# Altium PCB CORE_BOARD.PcbDoc (part 2 of 2)
Units mil, origin at the board's own origin, x right, y up, seen from the top; angles counter-clockwise.
Board outline 2283.74 x 2984.53 mil, 4 copper layers (Top Layer, PWR02, GND03, Bottom Layer), stack 23.756 mil thick; 79 components, 108 nets, 397 pads, 203 vias.
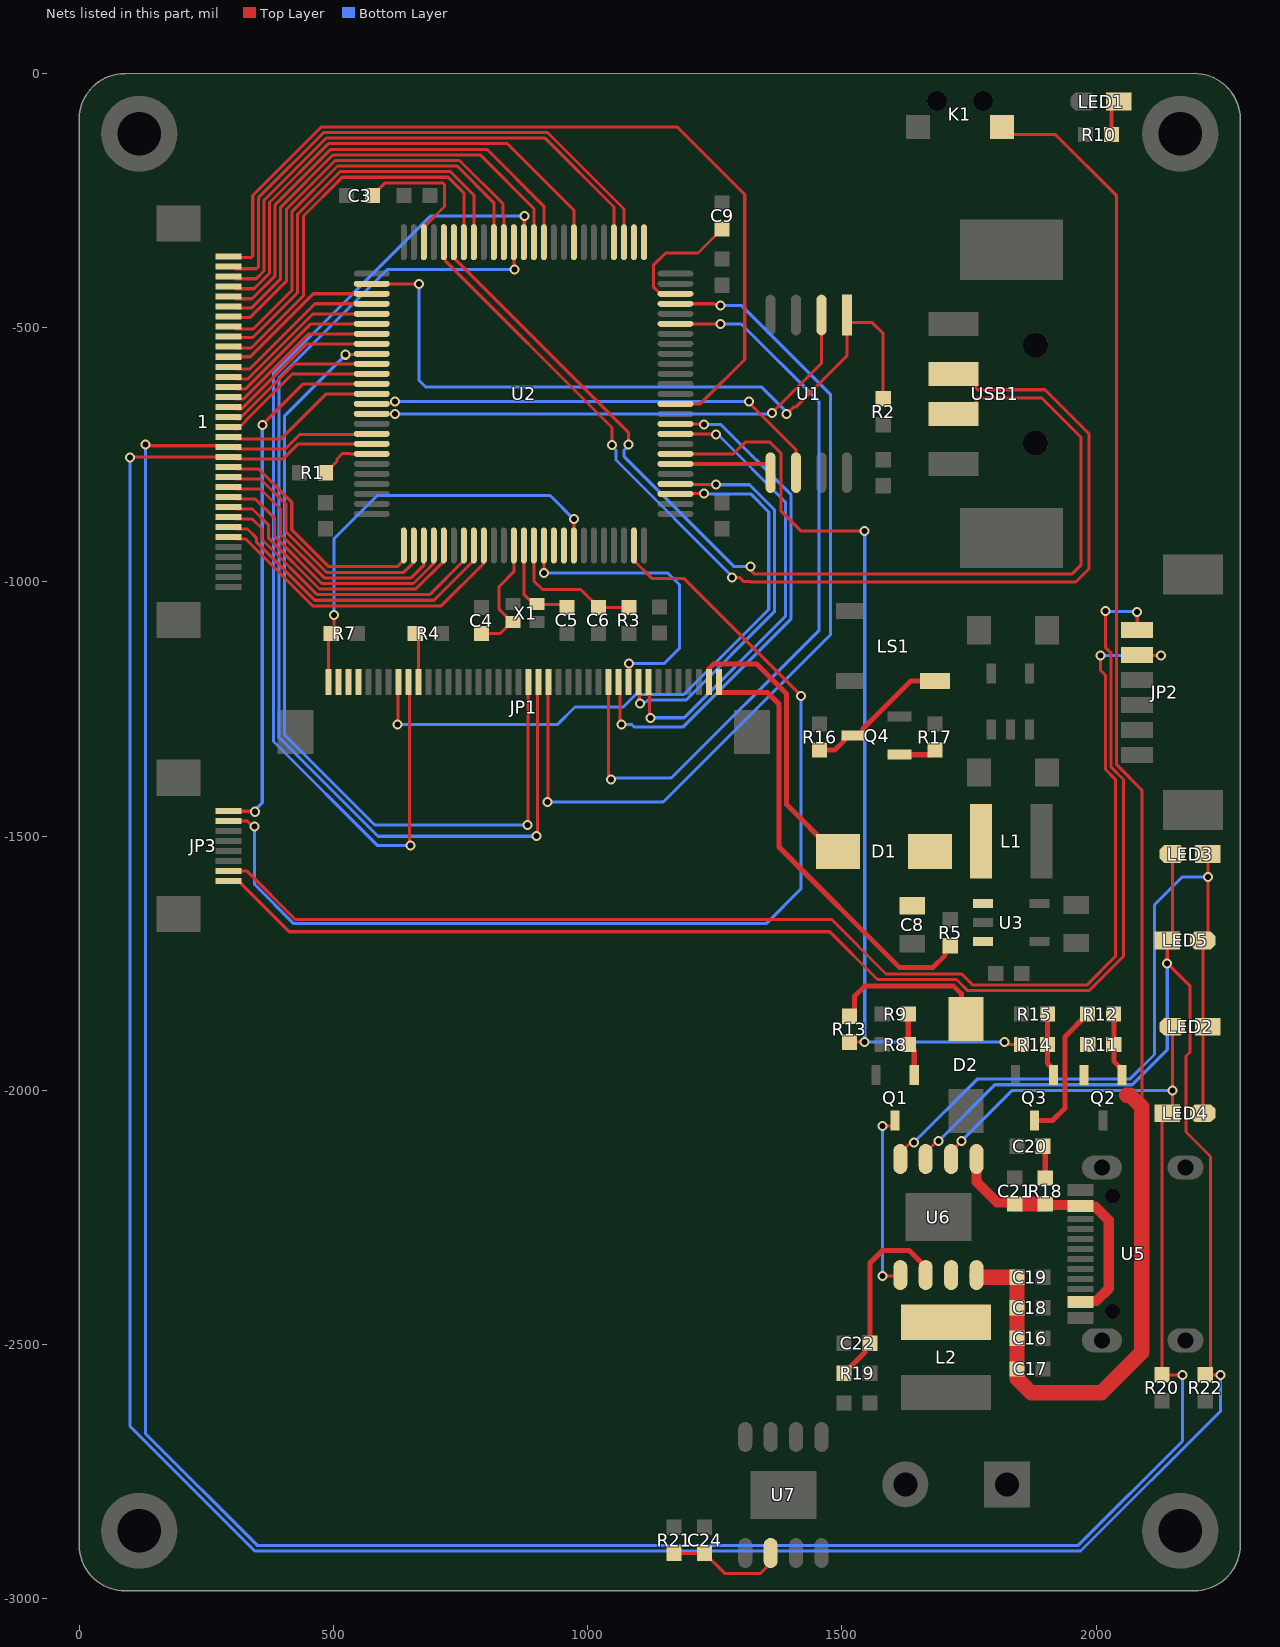
[diagram p4: the nets of this part, all layers, seen from the top]

## Via types
v1: diameter 19.68, hole 11.81, Top Layer to Bottom Layer, tented both sides, 203 vias

## Nets (pads, with @x,y where several pads share a name; then routed paths per layer and width w, separated by ;. In a path a pad name is that pad's centre, name@x,y a point inside that pad or via, vN(x,y) a via of type N, cw(c..) or ccw(c..) an arc to the next point about the centre after c; other vN are vias at no path point) (continued)
LCD_G5: JP1.23 U2.47 | length 1781
  Top Layer w6: v1(921.26,-1433.15) 922.26,-1432.15 922.26,-1197.85 JP1.23@923.26,-1196.85 ; U2.47@1172.76,-452.83 1249.21,-452.83 1250.28,-453.9 1258.88,-453.9 v1(1261.5,-456.52)
  Bottom Layer w6: v1(921.26,-1433.15) 1148.29,-1433.15 1477.26,-1104.18 1477.26,-630.8 1302.98,-456.52 v1(1261.5,-456.52)
LCD_G6: JP1.22 U2.64 | length 2204.6
  Top Layer w6: U2.64@854.86,-331.79 855.56,-332.49 855.56,-384.3 v1(856.26,-385) ; v1(899.26,-1500.15) 901.42,-1497.99 901.42,-1199.01 JP1.22@903.58,-1196.85
  Bottom Layer w6: v1(856.26,-385) 606.26,-385 393,-598.26 393,-1305.45 587.7,-1500.15 v1(899.26,-1500.15)
LCD_G7: JP1.21 U2.84 | length 1682.7
  Top Layer w6: v1(523.95,-553.1) 524.87,-552.18 574.41,-552.18 U2.84@575.34,-551.26 ; v1(881.26,-1478.15) 882.58,-1476.83 882.58,-1198.17 JP1.21@883.89,-1196.85
  Bottom Layer w6: v1(523.95,-553.1) 404,-673.05 404,-1300.89 581.26,-1478.15 v1(881.26,-1478.15)
LCD_HSYNC: JP1.9 U2.63 | length 2075.9
  Top Layer w6: JP1.9@647.67,-1196.85 649.47,-1198.64 649.47,-1516.2 v1(651.26,-1517.99) ; U2.63@874.55,-331.79 875.35,-330.99 875.35,-280.68 v1(876.14,-279.88)
  Bottom Layer w6: v1(651.26,-1517.99) 586.1,-1517.99 382,-1313.89 382,-589.26 691.26,-280 876.03,-280 v1(876.14,-279.88)
LCD_ONOFF: JP1.10 R4.2 | length 98.4
  Top Layer w6: R4.2@660.67,-1101.22 667.36,-1107.91 JP1.10@667.36,-1196.85
LCD_R3: JP1.33 U2.34 | length 917.6
  Top Layer w6: JP1.33@1120.11,-1196.85 1122.09,-1198.83 1122.09,-1265.9 v1(1124.08,-1267.88) ; U2.34@1172.76,-708.74 1204.34,-708.74 1204.97,-709.37 1255.63,-709.37 v1@1256.26,-710
  Bottom Layer w6: v1(1124.08,-1267.88) 1124.84,-1267.12 1189.87,-1267.12 1389.26,-1067.73 1389.26,-843 v1@1256.26,-710
  other v1: 1252.86,-710
LCD_R4: JP1.32 U2.29 | length 798.5
  Top Layer w6: JP1.32@1100.43,-1196.85 1101.54,-1197.96 1101.54,-1237.73 v1(1102.65,-1238.84) ; U2.29@1172.76,-807.17 1173.5,-807.91 1252.01,-807.91 v1(1252.86,-808.76)
  Bottom Layer w6: v1(1102.65,-1238.84) 1105.27,-1236.22 1114.95,-1236.22 1118.61,-1232.56 1193.32,-1232.56 1367.26,-1058.62 1367.26,-857.67 1318.35,-808.76 v1(1252.86,-808.76)
LCD_R5: JP1.31 U2.15 | length 604.1
  Top Layer w6: v1(913.92,-982.66) U2.15@913.92,-928.21 ; JP1.31@1080.74,-1196.85 1081,-1196.59 1081,-1160.26 v1(1081.26,-1160)
  Bottom Layer w6: v1(913.92,-982.66) 1157.92,-982.66 1180.26,-1005 1180.26,-1131 1151.26,-1160 v1(1081.26,-1160)
LCD_R6: JP1.30 U2.35 | length 1039
  Top Layer w6: JP1.30@1061.06,-1196.85 1063.66,-1199.45 1063.66,-1277.4 v1(1066.26,-1280) ; U2.35@1172.76,-689.05 1173.23,-689.53 1228.86,-689.53 v1(1229.34,-690)
  Bottom Layer w6: v1(1066.26,-1280) 1086.26,-1280 1091.98,-1285.72 1186.83,-1285.72 1400.26,-1072.29 1400.26,-828.77 1261.49,-690 v1(1229.34,-690)
LCD_R7: JP1.29 U2.45 | length 1519.2
  Top Layer w6: JP1.29@1041.37,-1196.85 JP1.29@1041.37,-1196.85 1041.32,-1379.5 1046.26,-1384.45 v1(1046.26,-1388.15) ; U2.45@1172.76,-492.2 1172.83,-492.27 1261.38,-492.27 v1(1261.56,-492.46)
  Bottom Layer w6: v1(1046.26,-1388.15) 1048.7,-1385.71 1164.62,-1385.71 1455.26,-1095.07 1455.26,-645.67 1302.05,-492.46 v1(1261.56,-492.46)
LCD_VSYNC: JP1.8 U2.28 | length 1298.4
  Top Layer w6: v1(626.26,-1280) 627.12,-1279.14 627.12,-1197.71 JP1.8@627.99,-1196.85 ; U2.28@1172.76,-826.85 1173.31,-826.3 1228.78,-826.3 v1(1229.34,-825.75)
  Bottom Layer w6: v1(626.26,-1280) 941.13,-1280 975.13,-1246 1070.26,-1246 1095.26,-1221 1189.32,-1221 1356.26,-1054.06 1356.26,-862.22 1320.64,-826.6 1230.19,-826.6 v1(1229.34,-825.75)
LEDK(+): C8.1 D1.2 JP1.39 | length 564.5
  Top Layer w10: JP1.39@1238.22,-1196.85 1239.13,-1195.94 1239.13,-1169.99 1247.86,-1161.26 1332.45,-1161.26 1391.26,-1220.07 1391.26,-1437.49 1483.77,-1530 D1.2@1492.63,-1530
LEDK(-): JP1.40 R5.2 U3.3 | length 872.4
  Top Layer w10: JP1.40@1257.91,-1196.85 1257.91,-1216.54 1258.81,-1217.44 1353.63,-1217.44 1376.26,-1240.07 1376.26,-1521.26 1613,-1758 1679.33,-1758 1703.18,-1734.15 R5.2@1703.18,-1725.59
Net1_1: 1.1 U2.37 | length 1730.1
  Top Layer w6: 1.1@309.79,-362.1 337.72,-362.1 341.23,-358.59 341.23,-240.02 476.25,-105 1176.26,-105 1308.99,-237.73 1308.99,-562.27 1221.57,-649.68 U2.37@1172.76,-649.68 ; 1.1@310.95,-362.87 1.1@313.1,-360.73
Net1_2: 1.2 U2.53 | length 1081.9
  Top Layer w6: 1.2@307.64,-383.94 348.72,-383.94 352.23,-380.42 352.23,-244.58 480.81,-116 920.89,-116 1071.4,-266.51 U2.53@1071.4,-331.79
Net1_3: 1.3 U2.54 | length 1065.7
  Top Layer w6: 1.3@307.64,-403.62 347.97,-403.62 363.23,-388.36 363.23,-249.13 485.37,-127 916.34,-127 1051.71,-262.38 U2.54@1051.71,-331.79
Net1_4: 1.4 U2.58 | length 952.1
  Top Layer w6: 1.4@307.64,-423.31 343.84,-423.31 374.23,-392.92 374.23,-253.69 489.92,-138 842.34,-138 972.97,-268.64 972.97,-300.87 U2.58@973.43,-301.33
Net1_5: 1.5 U2.61 | length 926.9
  Top Layer w6: 1.5@307.64,-442.99 339.71,-442.99 385.23,-397.47 385.23,-258.24 494.48,-149 802.05,-149 913.92,-260.86 U2.61@913.92,-331.79
Net1_6: 1.6 U2.62 | length 904.6
  Top Layer w6: 1.6@308.92,-461.4 338.59,-461.4 396.23,-403.75 396.23,-262.8 499.03,-160 788.81,-160 894.23,-265.42 U2.62@894.23,-331.79 ; 1.6@310.95,-461.3 1.6@312.23,-460.02
Net1_7: 1.7 U2.65 | length 848.8
  Top Layer w6: 1.7@310.55,-479.46 336.09,-479.46 407.23,-408.31 407.23,-267.36 503.59,-171 748.05,-171 833.42,-256.37 833.42,-277.09 835.18,-278.85 U2.65@835.18,-331.79 ; 1.7@310.95,-480.98 1.7@313.86,-478.08
Net1_8: 1.8 U2.66 | length 838.7
  Top Layer w6: 1.8@307.64,-502.05 342.85,-502.05 418.23,-426.66 418.23,-271.91 508.15,-182 743.49,-182 815.49,-254 U2.66@815.49,-331.79
Net1_9: 1.9 U2.68 | length 807.3
  Top Layer w6: 1.9@310.55,-518.83 341.62,-518.83 429.23,-431.21 429.23,-276.47 512.7,-193 730.37,-193 776.12,-238.75 U2.68@776.12,-331.79 ; 1.9@310.95,-520.35 1.9@313.86,-517.45
Net1_10: 1.10 U2.69 | length 790.2
  Top Layer w6: 1.10@309.32,-539.74 338.19,-539.74 441.13,-436.79 441.13,-280.13 517.26,-204 725.82,-204 756.44,-234.62 U2.69@756.44,-331.79 ; 1.10@310.95,-540.04 1.10@312.63,-538.36
Net1_11: 1.11 U2.78 | length 316.6
  Top Layer w6: 1.11@310.55,-558.2 311.7,-557.05 336.43,-557.05 460.33,-433.15 U2.78@575.34,-433.15
Net1_12: 1.12 U2.79 | length 320.7
  Top Layer w6: 1.12@307.64,-580.79 335.88,-580.79 463.83,-452.83 U2.79@575.34,-452.83
Net1_13: 1.13 U2.80 | length 320.7
  Top Layer w6: 1.13@307.64,-600.47 331.75,-600.47 459.7,-472.52 U2.80@575.34,-472.52
Net1_14: 1.14 U2.81 | length 320.7
  Top Layer w6: 1.14@307.64,-620.16 327.62,-620.16 455.57,-492.2 U2.81@575.34,-492.2
Net1_15: 1.15 U2.82 | length 320.7
  Top Layer w6: 1.15@307.64,-639.84 323.49,-639.84 451.44,-511.89 U2.82@575.34,-511.89
Net1_16: 1.16 U2.83 | length 320.7
  Top Layer w6: 1.16@307.64,-659.53 319.36,-659.53 447.31,-531.57 U2.83@575.34,-531.57
Net1_17: 1.17 U2.85 | length 312.5
  Top Layer w6: 1.17@307.64,-679.21 315.23,-679.21 423.5,-570.94 U2.85@575.34,-570.94
Net1_18: 1.18 U2.86 | length 313.3
  Top Layer w6: 1.18@307.64,-698.9 312.38,-698.9 326.9,-684.38 326.9,-683.1 419.37,-590.63 U2.86@575.34,-590.63
Net1_19: 1.19 U2.88 | length 304.4
  Top Layer w6: 1.19@307.64,-718.58 397.42,-718.58 486,-630 U2.88@575.34,-630
Net1_22: 1.22 U2.1 | length 476.2
  Top Layer w6: 1.22@307.64,-777.64 352.53,-777.64 417.94,-843.05 417.94,-897.15 490.79,-970 625.27,-970 638.33,-956.94 U2.1@638.33,-928.21
Net1_23: 1.23 U2.2 | length 499.4
  Top Layer w6: 1.23@307.64,-797.32 356.66,-797.32 406.94,-847.61 406.94,-901.71 486.23,-981 638.34,-981 655.26,-964.07 655.26,-962.06 658.01,-959.31 U2.2@658.01,-928.21
Net1_24: 1.24 U2.3 | length 520.9
  Top Layer w6: 1.24@307.64,-817.01 356.34,-817.01 395.94,-856.61 395.94,-906.26 481.68,-992 652.89,-992 669.01,-975.88 677.7,-967.19 U2.3@677.7,-928.21
Net1_25: 1.25 U2.4 | length 530.7
  Top Layer w6: 1.25@307.64,-836.69 346.03,-836.69 384.34,-875 384.34,-910.22 477.12,-1003 657.45,-1003 680.01,-980.44 696.27,-964.18 696.27,-929.32 U2.4@697.38,-928.21
Net1_26: 1.26 U2.5 | length 531.5
  Top Layer w6: 1.26@307.64,-856.38 340.71,-856.38 371.84,-887.5 371.84,-913.27 472.56,-1014 662,-1014 715.77,-960.24 715.77,-941.05 U2.5@716.85,-939.97
Net1_27: 1.27 U2.7 | length 580.4
  Top Layer w6: 1.27@307.64,-876.06 340.4,-876.06 359.34,-895 359.34,-916.33 468.01,-1025 689.18,-1025 756.44,-957.74 U2.7@756.44,-928.21
Net1_28: 1.28 U2.8 | length 593
  Top Layer w6: 1.28@307.64,-895.75 330.77,-895.75 348.34,-913.32 348.34,-920.88 463.45,-1036 697.86,-1036 776.12,-957.74 U2.8@776.12,-928.21
Net1_29: 1.29 U2.9 | length 612.6
  Top Layer w6: 1.29@307.64,-915.43 327.33,-915.43 458.89,-1047 712.34,-1047 794.7,-964.64 794.7,-929.32 U2.9@795.81,-928.21
NetC3_1: C3.1 U2.73 | length 283.5
  Top Layer w6: C3.1@576.85,-240 601.85,-215 714.9,-215 718.42,-218.51 718.42,-261.54 677.7,-302.26 U2.73@677.7,-331.79
NetC4_1: C4.1 U2.12 X1.1 | length 242.5
  Top Layer w6: C4.1@794.34,-1101.22 827.82,-1101.22 X1.1@851.67,-1077.38 ; X1.1@853.54,-1077.38 849.15,-1077.38 841.74,-1069.96 841.74,-1069.62 835.71,-1063.59 835.42,-1063.59 830.74,-1058.9 830.74,-1058.62 826,-1053.88 826,-1009 854.86,-980.14 U2.12@854.86,-928.21
NetC5_1: C5.1 U2.13 X1.3 | length 191.3
  Top Layer w6: U2.13@874.55,-928.21 874.55,-1023.93 894.76,-1044.13 897.71,-1044.13 953.43,-1044.13 C5.1@959.33,-1050.04
NetC6_2: C6.2 R3.1 U2.14 | length 278.6
  Top Layer w6: U2.14@894.23,-928.21 894.23,-997.97 911.26,-1015 986.22,-1015 C6.2@1021.26,-1050.04 1080.67,-1050.04 R3.1@1081.26,-1050.63
NetC9_2: C9.2 U2.48 | length 256.1
  Top Layer w6: U2.48@1172.76,-433.15 1143.23,-433.15 1129.33,-419.24 1129.33,-376.93 1153.46,-352.8 1217.12,-352.8 C9.2@1264.34,-305.59
NetC16_1: C16.1 C17.1 C18.1 C19.1 K1.2 Q2.2 R11.2 U6.8 | length 3188.5
  Top Layer w6: K1.2@1814.96,-105.59 1829.37,-120 1920,-120 2040.6,-240.6 2040.6,-1359.64 2090,-1409.04 2090,-2032.57
  Top Layer w30: U6.8@1765,-2363.35 1765,-2366.3 1766.22,-2367.52 C19.1@1844.41,-2367.52 C18.1@1844.41,-2427.52 1844.41,-2467.52 C16.1@1844.41,-2487.52 1844.41,-2527.76 1844.58,-2527.94 1844.58,-2567.01 1855,-2577.43 1872.57,-2595 2010,-2595 2090,-2515 2090,-2032.57 2067.11,-2009.69 2060,-2009.69
NetC20_1: C20.1 R18.1 | length 64.3
  Top Layer w10: C20.1@1895.59,-2110 1900,-2114.4 R18.1@1900,-2172.52
NetC21_1: C21.1 R18.2 U5.2 U5.11 U6.1 | length 537.1
  Top Layer w20: U6.1@1765,-2135 1765,-2180 1805.64,-2220.64 1836.94,-2220.64 C21.1@1840,-2223.7 ; R18.2@1900,-2223.7 1901.73,-2225.43 1967.67,-2225.43 U5.11@1969.4,-2227.17 1971.21,-2228.98 1998.34,-2228.98 2025,-2255.63 2025,-2390 2000.67,-2414.33 1971.22,-2414.33 U5.2@1969.41,-2416.14
  Top Layer w30: C21.1@1840,-2223.7 R18.2@1900,-2223.7
NetC22_1: C22.1 R19.1 U6.6 | length 386.8
  Top Layer w10: R19.1@1504.41,-2556.25 1545.59,-2515.06 1545.59,-2507.5 C22.1@1555.59,-2497.5 1555.59,-2339.41 1580,-2315 1632.4,-2315 1665,-2347.6 U6.6@1665,-2363.35
NetC24_1: C24.1 R21.2 U7.6 | length 234.6
  Top Layer w6: R21.2@1170,-2910.59 1230,-2910.59 1269.41,-2950 1340,-2950 1360,-2930 U7.6@1360,-2910
NetD1_1: D1.1 L1.2 U3.1
NetD2_2: D2.2 R13.2 | length 321.1
  Top Layer w10: R13.2@1515,-1854.41 1525,-1844.41 1525,-1815 1545,-1795 1720,-1795 1735,-1810 1735,-1850.71 D2.2@1743.74,-1859.45
NetJP2_5: JP2.5 JP3.7 | length 2632
  Top Layer w6: JP3.7@293.31,-1568.21 329.21,-1568.21 425,-1664 1480,-1664 1587,-1771 1736,-1771 1758,-1793 1784.27,-1793 1872.08,-1793 1981.56,-1793 2038,-1736.56 2038,-1388.15 2018.6,-1368.75 2018.6,-1183.78 2009.16,-1174.34 v1(2009.16,-1145) ; JP2.5@2080.09,-1143.72 2081.37,-1145 v1(2128,-1145)
  Bottom Layer w6: v1(2009.16,-1145) v1(2128,-1145)
NetJP2_6: JP2.6 JP3.8 | length 2670.7
  Top Layer w6: JP3.8@293.31,-1587.9 312.99,-1587.9 413.09,-1688 1476,-1688 1570,-1782 1725.38,-1782 1747.39,-1804 1876.64,-1804 1986.11,-1804 2054,-1736.11 2054,-1388.59 2029.6,-1364.19 2029.6,-1140.21 2019,-1129.61 v1(2019,-1057) ; JP2.6@2080.09,-1094.51 2081,-1093.61 v1(2081,-1059)
  Bottom Layer w6: v1(2019,-1057) 2020,-1058 2080,-1058 v1(2081,-1059)
NetJP3_1: JP3.1 U2.87 | length 1069
  Top Layer w6: JP3.1@293.31,-1450.1 294.26,-1451.05 345.05,-1451.05 v1(346,-1452) ; v1(360,-691) 440.69,-610.31 U2.87@575.34,-610.31
  Bottom Layer w6: v1(346,-1452) 346,-1448.3 360,-1434.3 v1(360,-691)
NetJP3_2: JP3.2 U2.24 | length 2153.5
  Top Layer w6: JP3.2@293.31,-1469.79 330.08,-1469.79 341.3,-1481 v1(345,-1481) ; U2.24@1091.08,-928.21 1091.08,-957.74 1126.34,-993 1189,-993 v1(1420,-1224)
  Bottom Layer w6: v1(345,-1481) 345,-1595 422,-1672 1351,-1672 1420,-1603 v1(1420,-1224)
NetL2_1: L2.1 U6.7
NetLED1_1: LED1.1 R10.1 | length 71.2
  Top Layer w8: R10.1@2030.59,-120 2030.59,-68.76 2044.09,-55.26 LED1.1@2045,-55.26
NetLED2_1: LED2.1 LED3.1 LED4.2 LED5.2 U6.4 | length 1536.3
  Top Layer w6: U6.4@1615,-2135 1615,-2123.48 1633.22,-2105.26 1639.07,-2105.26 v1(1641.69,-2102.64) ; LED4.2@2210,-2045 2210,-1885.08 LED2.1@2220,-1875.09 2210,-1865.09 LED5.2@2210,-1705.17 2220,-1695.18 v1(2220,-1580) LED3.1@2220,-1535.26
  Bottom Layer w6: v1(1641.69,-2102.64) 1766.33,-1978 2066.44,-1978 2115,-1929.44 2115,-1635 2170,-1580 v1(2220,-1580)
NetLS1_2: LS1.2 Q4.3 R16.2 | length 277.8
  Top Layer w10: R16.2@1456.26,-1330.59 1486.26,-1330.59 1504.56,-1312.28 1504.56,-1307.24 1509.4,-1302.4 Q4.3@1523.18,-1302.4 1536.96,-1302.4 1541.81,-1297.56 1541.81,-1288.77 1635.58,-1195 LS1.2@1669.76,-1195
NetQ1_1: Q1.1 R8.2 R9.2 | length 124.9
  Top Layer w10: R9.2@1630.59,-1850 R8.2@1630.59,-1910 1642.4,-1921.82 Q1.1@1642.4,-1970
NetQ1_3: Q1.3 U6.5 | length 363
  Top Layer w6: v1(1580,-2365) 1613.35,-2365 U6.5@1615,-2363.35 ; v1(1580,-2070) 1599.14,-2070 1605,-2064.14 Q1.3@1605,-2059.29
  Bottom Layer w6: v1(1580,-2365) v1(1580,-2070)
NetQ2_1: Q2.1 R11.1 R12.2 | length 127
  Top Layer w6: R12.2@2034.33,-1850 R12.2@2034.92,-1850.6
  Top Layer w10: R12.2@2034.92,-1850.6 R11.1@2034.92,-1910 2034.92,-1942.95 2051.14,-1959.17 Q2.1@2051.14,-1970
NetQ3_1: Q3.1 R14.1 R15.2 | length 124.9
  Top Layer w10: R15.2@1904.33,-1850 R14.1@1904.33,-1910 1904.33,-1947.37 1916.14,-1959.17 Q3.1@1916.14,-1970
NetQ3_3: Q3.3 R12.1 | length 273.5
  Top Layer w10: Q3.3@1878.74,-2059.29 1914.45,-2059.29 1938.74,-2035 1938.74,-1894.41 R12.1@1983.15,-1850
NetQ4_1: Q4.1 R17.2 | length 73.8
  Top Layer w10: Q4.1@1613.18,-1339.8 1673.96,-1339.8 R17.2@1683.18,-1330.59
NetR1_2: R1.2 U2.94 | length 109.4
  Top Layer w6: R1.2@484.33,-785 506.91,-762.43 506.91,-758.05 517.48,-747.48 532.27,-747.48 532.9,-748.11 U2.94@575.34,-748.11
PWR_CTRL: R13.1 R14.2 U2.32 | length 1866.3
  Top Layer w6: U2.32@1172.76,-748.11 1286.89,-748.11 1310,-725 1358.5,-725 1380,-746.5 1380,-860 1420,-900 v1(1545,-900) ; R13.1@1515,-1905.59 1515.6,-1905 v1(1545,-1905) ; v1(1820,-1905) 1823.7,-1905 1828.7,-1910 R14.2@1853.15,-1910
  Bottom Layer w6: v1(1545,-900) v1(1545,-1905) v1(1820,-1905)
SCK: 1.20 LED2.2 LED4.1 R20.1 U2.92 U6.2 | length 5969.4
  Top Layer w6: v1(130,-730) 132.11,-732.11 291.2,-732.11 1.20@293.31,-734.21 ; 1.20@307.64,-738.27 405.51,-738.27 433.78,-710 540.44,-710 540.59,-709.85 574.22,-709.85 U2.92@575.34,-708.74 ; U6.2@1715,-2135 1715,-2119.63 1734.63,-2100 v1(1735,-2100) ; LED2.2@2150,-1875.09 v1(2150,-2000) 2150,-2035 LED4.1@2140,-2045 2129.59,-2055.41 R20.1@2129.59,-2559.41 2130.18,-2560 v1(2170,-2560)
  Bottom Layer w6: v1(130,-730) 130,-2675 350,-2895 1965,-2895 2170,-2690 v1(2170,-2560) ; v1(1735,-2100) 1835,-2000 v1(2150,-2000)
SDA: 1.21 LED3.2 LED5.1 R22.1 U2.93 U6.3 | length 6647.5
  Top Layer w6: v1(100,-755) 100.55,-754.45 292.76,-754.45 1.21@293.31,-753.9 ; 1.21@307.64,-757.95 401.38,-757.95 430.91,-728.42 U2.93@575.34,-728.42 ; U6.3@1665,-2135 1665,-2122.13 1687.13,-2100 v1(1690,-2100) ; LED5.1@2140,-1705.18 v1(2140,-1750) 2185,-1795 2185,-1924.53 2177,-1932.53 2177,-2082 2225,-2130 R22.1@2225,-2554.4 ; LED5.1@2140,-1705.17 2150,-1695.18 LED3.2@2150,-1535.26 ; R22.1@2215,-2559.41 2215.59,-2560 v1(2245,-2560)
  Bottom Layer w6: v1(100,-755) 100,-2660.56 345.44,-2906 1969.56,-2906 2245,-2630.56 v1(2245,-2560) ; v1(1690,-2100) 1801,-1989 2071,-1989 2140,-1920 v1(2140,-1750)
SPI1_MISO: U1.2 U2.90 | length 1020.9
  Top Layer w6: U2.90@575.34,-669.37 v1(620.94,-669.38) ; v1(1362.54,-667.31) 1459.84,-570 U1.2@1459.84,-475
  Bottom Layer w6: v1(620.94,-669.38) 621.25,-669.69 1360.15,-669.69 v1(1362.54,-667.31)
SPI1_MOSI: U1.5 U2.31 | length 201.1
  Top Layer w8: U2.31@1172.76,-767.8 1354.44,-767.8 1359.84,-773.19 U1.5@1359.84,-785
SPI1_NSS: R2.1 U1.1 U2.77 | length 1492.7
  Top Layer w6: U2.77@575.34,-413.46 575.42,-413.55 668.39,-413.55 v1(668.47,-413.63) ; v1(1391.42,-669.29) 1391.96,-669.29 1405.01,-656.24 1409.26,-656.24 1509.84,-555.65 U1.1@1509.84,-483.16 ; U1.1@1509.84,-475 U1.1@1509.84,-483.16 ; R2.1@1581.26,-639.41 1581.26,-511.26 1560,-490 1516.69,-490 U1.1@1509.84,-483.16
  Bottom Layer w6: v1(668.47,-413.63) 668.47,-603.63 681.01,-616.16 1341.65,-616.16 1391.42,-665.92 v1(1391.42,-669.29)
SPI1_SCK: U1.6 U2.89 | length 922.8
  Top Layer w6: U2.89@575.34,-649.68 576.45,-648.57 613.41,-648.57 617.28,-644.7 v1(620.98,-644.7) ; v1(1317.84,-645) 1317.84,-647.84 1409.84,-739.84 U1.6@1409.84,-785
  Bottom Layer w6: v1(620.98,-644.7) 621.16,-644.87 1296,-644.87 1296.13,-645 v1(1317.84,-645)
SPI2_MISO: U2.17
SPI2_MOSI: U2.16
SPI2_NSS: U2.51
SPI2_SCK: U2.52
TP_XL: JP1.2
TP_XR: JP1.4
TP_YD: JP1.3
TP_YU: JP1.1 R7.2 U2.18 | length 866
  Top Layer w6: JP1.1@489.76,-1196.42 JP1.1@490.19,-1196.85 490.19,-1105.48 R7.2@495.67,-1100 ; R7.2@495.67,-1101.22 501.26,-1095.64 v1(501.26,-1065) ; v1(972.82,-876.59) 972.9,-876.67 972.9,-928.13 U2.18@972.97,-928.21
  Bottom Layer w6: v1(501.26,-1065) 501.26,-915 586.26,-830 926.26,-830 v1(972.82,-876.59)
USB_N: U2.70 USB1.2 | length 2123.4
  Top Layer w6: U2.70@736.75,-331.79 736.75,-362.48 1080,-705.73 v1(1080,-730) ; v1(1320,-970) 1322.62,-972.62 1322.62,-978.94 1327.68,-984 1953.37,-984 1970,-967.37 1970,-715 1893,-638 1767.3,-638 1763.78,-641.51 1763.78,-648.75 1743.16,-669.37 USB1.2@1719.83,-669.37
  Bottom Layer w6: v1(1080,-730) 1080,-732.1 1071.74,-740.36 1071.74,-753.63 1288.11,-970 v1(1320,-970)
USB_P: U2.71 USB1.3 | length 2196.4
  Top Layer w6: U2.71@717.07,-331.79 717.07,-362.89 720.75,-366.57 720.75,-369.11 1047.94,-696.3 1047.94,-730.16 v1(1047.48,-730.62) ; v1(1283.69,-991.31) 1284.06,-990.94 1298.71,-990.94 1307.24,-999.47 1320.52,-999.47 1321.05,-1000 1960,-1000 1986,-974 1986,-708.37 1899.63,-622 1767.3,-622 1763.78,-618.48 1763.78,-611.25 1743.16,-590.63 USB1.3@1719.83,-590.63
  Bottom Layer w6: v1(1047.48,-730.62) 1047.48,-732.72 1055.74,-740.98 1055.74,-760.26 1283.69,-988.2 v1(1283.69,-991.31)
pads on no net: 1.0 1.34 JP1.0 JP1.6 JP2.0 JP3.0 K1. LS1.3 U2.23 U2.36 U2.38 U2.39 U2.40 U2.67 U2.97 U2.98 U4.4 U5. U5.3 U5.4 U5.5 U5.6 U5.7 U5.8 U5.9 U5.10 USB1.7 USB1.8

## Polygon pours and split planes (outlines as drawn)
5V on Top Layer "5V_L01_P014" (solid, pour order 14): 1960,-2040 2065,-2040 2065,-2115 1960,-2115
NetL2_1 on Top Layer "NETL2_1_L01_P023" (solid, pour order 23): 1700,-2330 1730,-2330 1730,-2395 1755,-2420 1795,-2420 1795,-2490 1615,-2490 1615,-2420 1675,-2420 1700,-2395
DGND on Top Layer "DGND_L01_P003" (solid, pour order 3): 1810,-1680 1805,-1685 1805,-1730 1860,-1730 1860,-1680 1920,-1680 1920,-1740 2035,-1740 2035,-1665 1890,-1665 1880,-1655 1745,-1655 1730,-1640 1695,-1640 1655,-1680 1610,-1680 1610,-1730 1665,-1730 1665,-1715 1700,-1680
DGND on Top Layer "DGND_L01_P022" (solid, pour order 22): 155,-1557.09 320,-1557.09 320,-1517.09 155,-1517.09
5V on Top Layer "5V_L01_P021" (solid, pour order 21): 320,-1482.09 320,-1517.09 155,-1517.09 155,-1482.09
DGND on Top Layer "DGND_L01_P020" (solid, pour order 20): 155,-1000 320,-1000 320,-960 155,-960
5V on Top Layer "5V_L01_P019" (solid, pour order 19): 320,-925 320,-960 155,-960 155,-925
DGND on Top Layer "DGND_L01_P018" (solid, pour order 18): 1530,-2525 1475,-2525 1475,-2580 1530,-2580 1530,-2665 1480,-2715 1295,-2715 1295,-2645 1460,-2480 1530,-2480
DGND on Top Layer "DGND_L01_P017" (solid, pour order 17): 1880,-2330 1880,-2545 1935,-2545 1935,-2330
3V3 on Top Layer "3V3_L01_P016" (solid, pour order 16): 1745,-1065 1855,-1065 1855,-1205 1785,-1205 1785,-1160 1750,-1125 1745,-1125
DGND on Top Layer "DGND_L01_P015" (solid, pour order 15): 1900,-1215 1900,-1140 1880,-1120 1880,-1065 1930,-1065 1935,-1070 1935,-1405 1885,-1405 1885,-1265 1840,-1265 1840,-1310 1820,-1310 1820,-1265 1785,-1265 1780,-1260 1780,-1215
B- on Top Layer "B-_L01_P012" (solid, pour order 12): 1200,-2830 1275,-2830 1285,-2820 1285,-2745 1460,-2745 1495,-2745 1545,-2695 1705,-2695 1725,-2715 1725,-2925 1705,-2945 1400,-2945 1390,-2935 1390,-2865 1335,-2865 1335,-2935 1325,-2945 1295,-2945 1280,-2930 1280,-2880 1200,-2880
B+ on Top Layer "B+_L01_P013" (solid, pour order 13): 1720,-2630 1745,-2655 1745,-2855 1765,-2875 1885,-2875 1905,-2855 1905,-2670 1795,-2560 1615,-2560 1615,-2630
NetC16_1 on Top Layer "NETC16_1_L01_P008" (solid, pour order 8): 1998.74,-1895 1958.74,-1895 1958.74,-2030 2073.74,-2030 2073.74,-1995 1998.74,-1995
5V on Top Layer "5V_L01_P000" (solid, pour order 0): 1868.18,-1640 1816.26,-1588.08 1816.26,-1420 1796.26,-1400 1746.26,-1400 1746.26,-1345 1811.26,-1345 1868.18,-1401.92 1868.18,-1435 1998.18,-1435 1998.18,-1615 1998.18,-1660 1888.18,-1660
NetD1_1 on Top Layer "NETD1_1_L01_P001" (solid, pour order 1): 1723.18,-1575 1753.18,-1605 1753.19,-1645 1798.18,-1645 1798.18,-1435 1753.18,-1435 1753.18,-1460 1718.18,-1495 1628.18,-1495 1628.18,-1575
LEDK(+) on Top Layer "LEDK(+)_L01_P004" (solid, pour order 4): 1448.18,-1490 1533.18,-1490 1573.18,-1530 1663.18,-1620 1663.18,-1655 1608.18,-1655 1518.18,-1565 1448.18,-1565
LEDK(-) on Top Layer "LEDK(-)_L01_P005" (solid, pour order 5): 1798.18,-1729.87 1693.32,-1729.87 1693.18,-1695 1798.18,-1695
5V on PWR02 (split plane): 312.9,-1377.95 313.29,-1379.9 314.4,-1381.56 316.05,-1382.66 318,-1383.05 2263.43,-1383.05 2263.51,-2894.24 2263.5,-2901.13 2260.8,-2914.64 2255.52,-2927.37 2247.85,-2938.83 2238.1,-2948.57 2226.63,-2956.22 2213.89,-2961.48 2200.37,-2964.16 2193.48,-2964.16 2193.47,-2964.16 2193.46,-2964.16 90,-2964.29 83.1,-2964.29 69.57,-2961.6 56.82,-2956.32 45.35,-2948.66 35.59,-2938.9 27.93,-2927.43 22.65,-2914.68 19.96,-2901.15 19.96,-2894.25 19.96,-90.02 19.96,-83.12 22.66,-69.61 27.95,-56.88 35.61,-45.42 45.37,-35.68 56.83,-28.03 69.57,-22.77 83.09,-20.09 89.98,-20.1 89.99,-20.1 90,-20.1 312.9,-20.08
3V3 on PWR02 (split plane): 2200.34,-19.96 2213.86,-22.66 2226.59,-27.95 2238.04,-35.61 2247.78,-45.37 2255.43,-56.83 2260.69,-69.57 2263.37,-83.09 2263.37,-89.98 2263.37,-89.99 2263.37,-90 2263.43,-1372.85 323.1,-1372.85 323.1,-20.08 2193.45,-19.96
DGND on GND03 (split plane): 2200.34,-19.96 2213.86,-22.66 2226.59,-27.95 2238.04,-35.61 2247.78,-45.37 2255.43,-56.83 2260.69,-69.57 2263.37,-83.09 2263.37,-89.98 2263.37,-89.99 2263.37,-90 2263.51,-2894.24 2263.5,-2901.13 2260.8,-2914.64 2255.52,-2927.37 2247.85,-2938.83 2238.1,-2948.57 2226.63,-2956.22 2213.89,-2961.48 2200.37,-2964.16 2193.48,-2964.16 2193.47,-2964.16 2193.46,-2964.16 90,-2964.29 83.1,-2964.29 69.57,-2961.6 56.82,-2956.32 45.35,-2948.66 35.59,-2938.9 27.93,-2927.43 22.65,-2914.68 19.96,-2901.15 19.96,-2894.25 19.96,-90.02 19.96,-83.12 22.66,-69.61 27.95,-56.88 35.61,-45.42 45.37,-35.68 56.83,-28.03 69.57,-22.77 83.09,-20.09 89.98,-20.1 89.99,-20.1 90,-20.1 2193.45,-19.96

## Other copper
PWR02 (plane layer: these items are gaps in the copper):
  lines w10: 318,-4 318,-1377.95 2275,-1377.95

## Silkscreen, mask and mechanical layers (free items; w line width, h text height)
Top Overlay:
  drawing of 15884 lines, arcs and shapes, not listed
  text "ON/OFF" at 1650,-192.86 h78.74
  text "DIGITAL" at 760,-259.1 h78.74
  text "64Mbits" at 1336.34,-351.76 h118.11
  text "500MHz" at 1336.26,-963.46 h118.11
  text "SCK0" at 1953.57,-1107.56 h59.06
  text "SDO0" at 1953.57,-1156.77 h59.06
  text "SCK7" at 1953.57,-1206.45 h59.06
  text "SDO7" at 1953.57,-1254.45 h59.06
  text "ANALOG" at 75,-1284.1 h78.74
  text "GND" at 1953.57,-1304.45 h59.06
  text "3V3" at 1953.57,-1354.45 h59.06
  text "Pin1" at 394,-1481.04 h78.74
  text "Pin40" at 1222,-1481.04 h78.74
  text "<PixelOsc>" at 298.36,-1804.37 h236.22
  text "PANEL" at 96,-1862.04 h78.74
  text "Designed by nand in Soochow" at 314.26,-1925.24 h133.86
  text "Components from" at 579.84,-2038.58 h118.11
  text "{" at 186.57,-2459.07 h590.55
  text "}" at 1371.26,-2459.07 h590.55
  text "-" at 1995.08,-2721.24 h118.11
  text "+" at 2055,-2726.85 h118.11
Bottom Overlay:
  drawing of 44556 lines, arcs and shapes, not listed
Mechanical 1:
  lines w8: 1314.02,-1610.98 ccw(c1314.02,-1580) 1345,-1580 ccw(c1314.02,-1580) 1314.02,-1549.02 425.98,-1549.02 ccw(c425.98,-1580) 395,-1580 ccw(c425.98,-1580) 425.98,-1610.98 1314.02,-1610.97
  lines w10: -0.14,-2894.25 ccw(c90,-2894.25) 90,-2984.39 ; -0.14,-90 cw(c90,-90) 90,0.14 ; 0,-2894.25 0,-90 ; 90,-2984.25 2193.46,-2984.25 ; 90,0 2193.46,0 ; 2193.46,-2984.39 ccw(c2193.46,-2894.25) 2283.6,-2894.25 ; 2193.46,0.14 cw(c2193.46,-90) 2283.6,-90 ; 2283.46,-2894.25 2283.46,-90

## Text inside footprints (layer, text, board x,y; h text height)
USB1: Top Overlay "VCC" at 1801.25,-810 h40; Top Overlay "D-" at 1801.25,-690 h40; Top Overlay "D+" at 1801.25,-610 h40; Top Overlay "GND" at 1801.25,-490 h40